# Altium PCB roach2.PcbDoc (part 23 of 39) (continued)
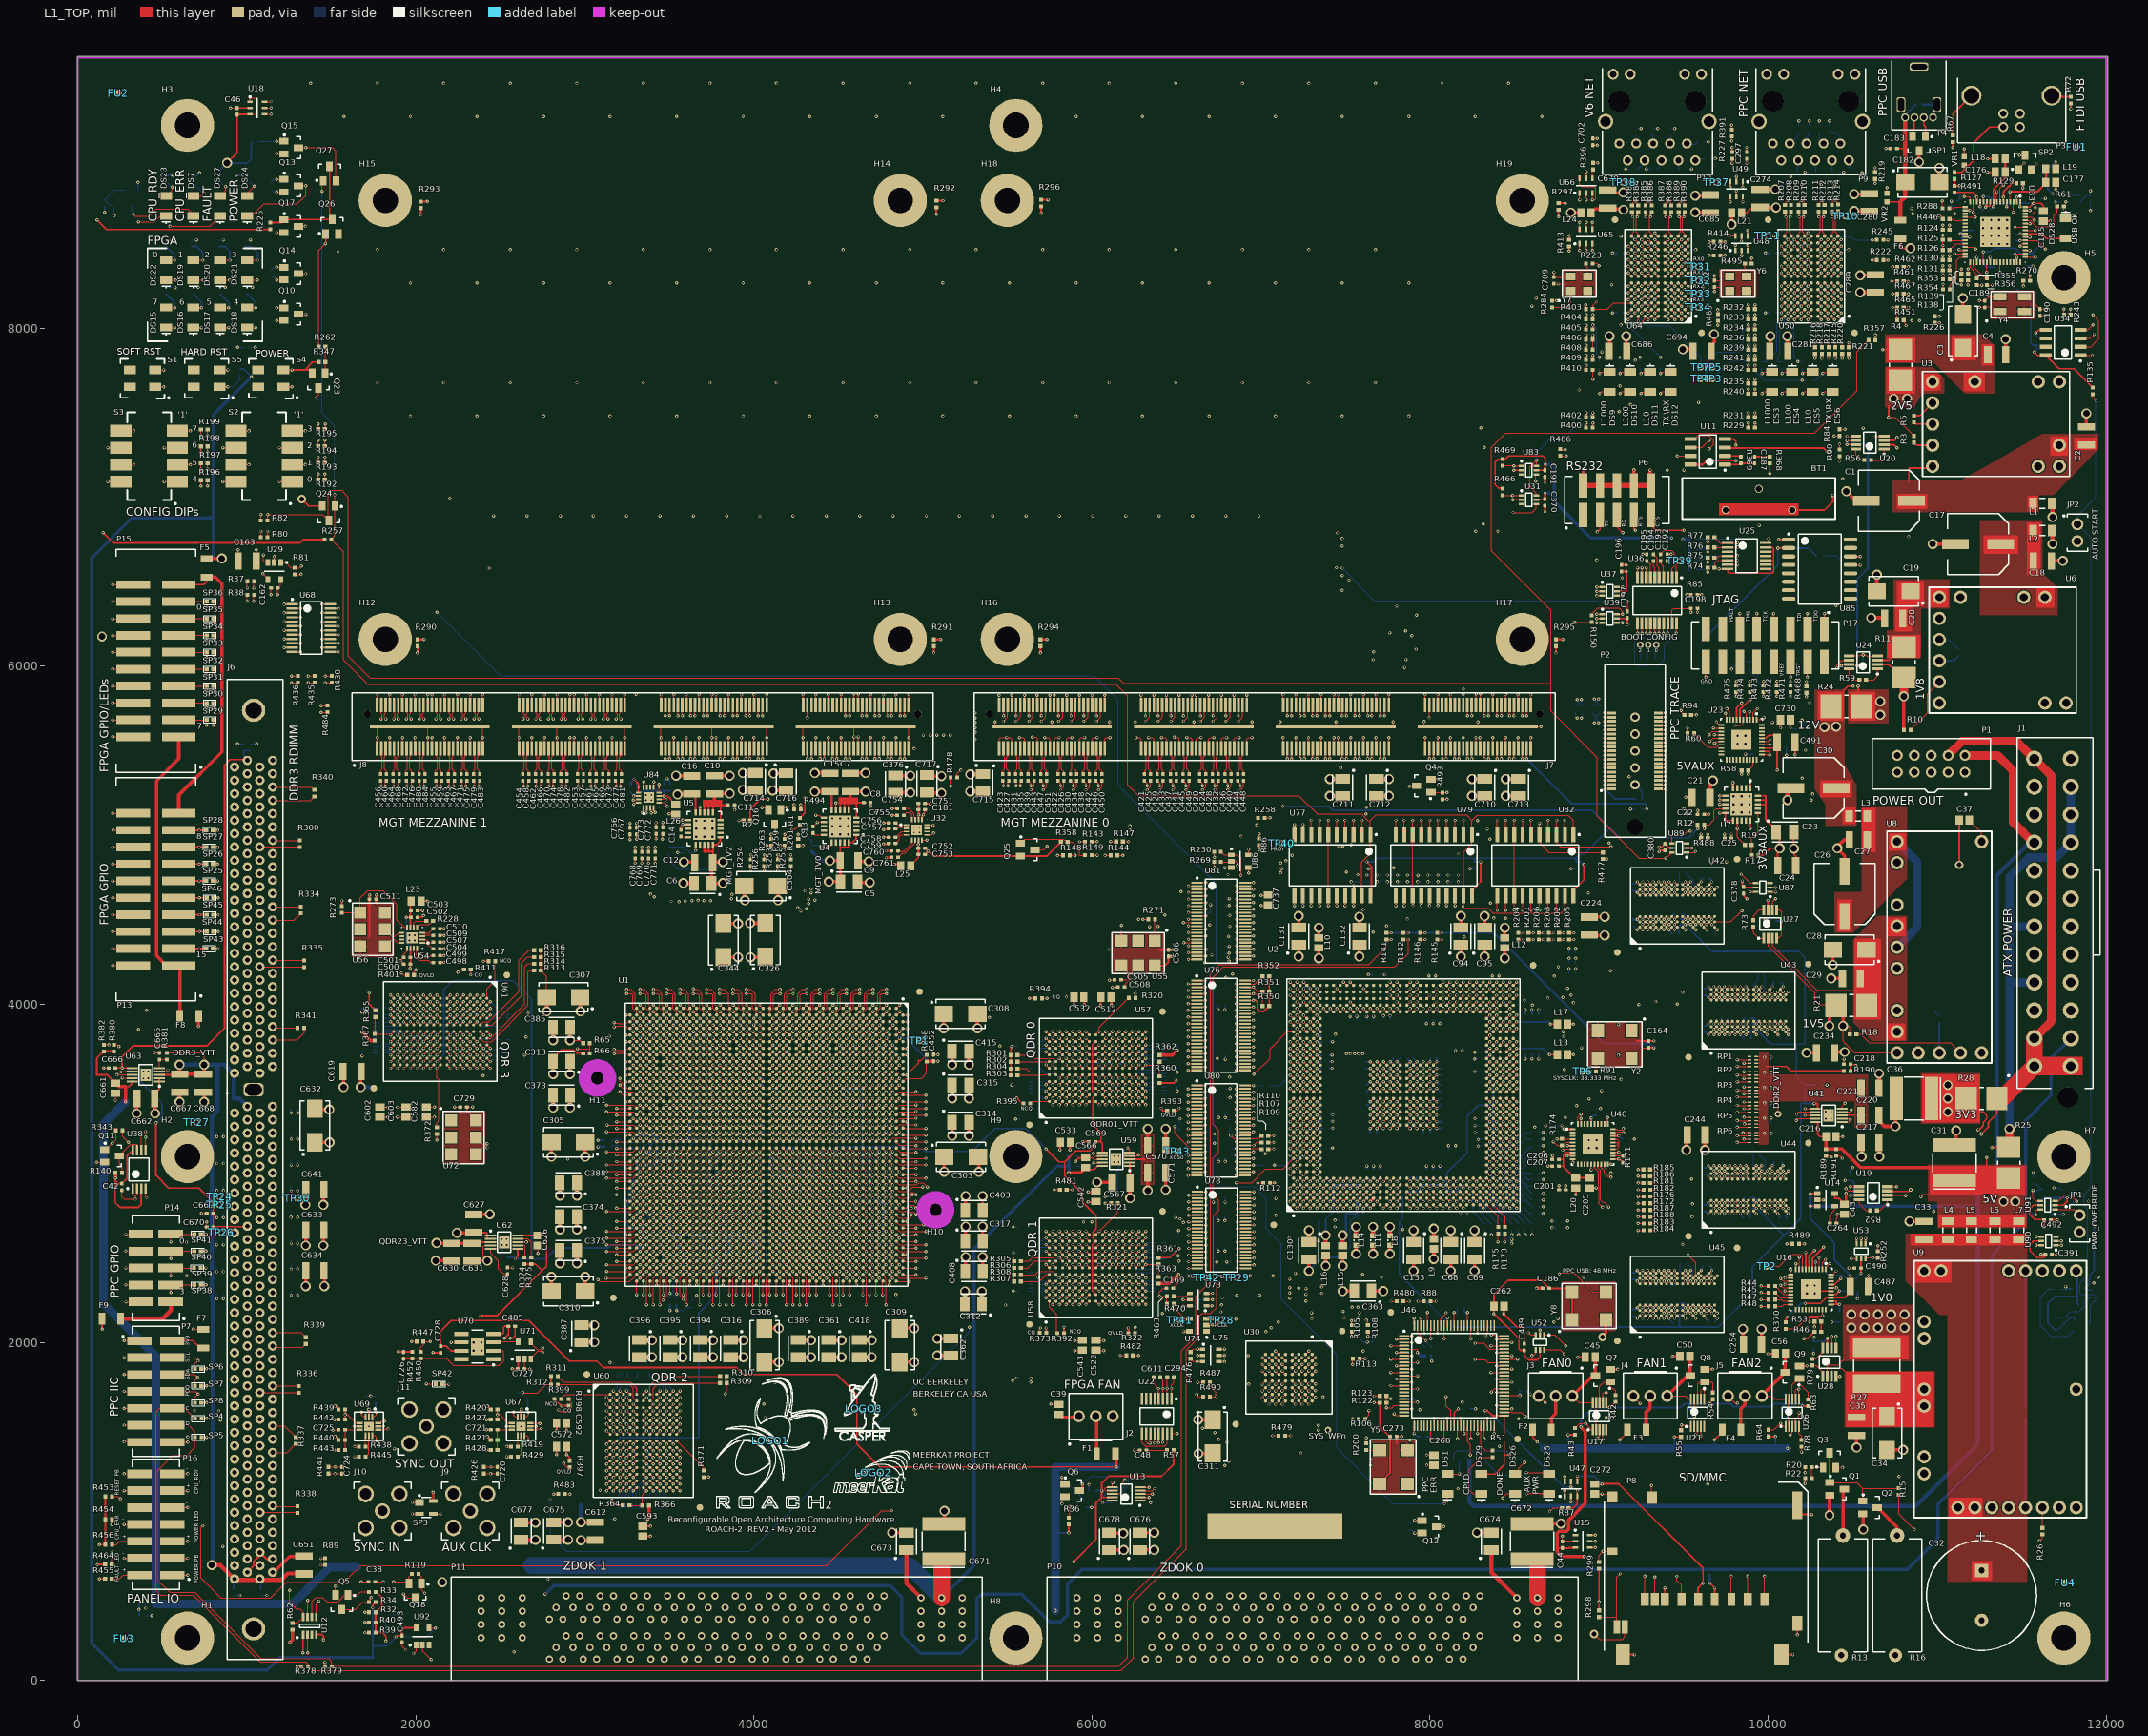
[diagram p0: L1_TOP view]
## Nets (pads, with @x,y where several pads share a name; then routed paths per layer and width w, separated by ;. In a path a pad name is that pad's centre, name@x,y a point inside that pad or via, vN(x,y) a via of type N, cw(c..) or ccw(c..) an arc to the next point about the centre after c; other vN are vias at no path point) (continued)
  L3_S w3.8: v3(3212.64,5688.98) 3204.79,5681.13 3204.79,5643.4 ccw(c3210.69,5643.4) 3210.69,5637.5 3220.3,5637.5 cw(c3220.3,5631.6) 3226.2,5631.6 cw(c3220.3,5631.6) 3220.3,5625.7 3210.69,5625.7 ccw(c3210.69,5619.8) 3204.79,5619.8 3204.79,5373.88 3238.79,5339.88 3238.79,4748.4 3400.32,4586.88 3767.33,4219.88 3767.33,4093.09 3767.43,4092.99 3767.43,4082.99 3771.43,4078.99 3785.43,4078.99 3794.43,4087.99 v1(3798.43,4087.99)
MGT_TX_P13: J8.B30 U1.AH3 | length 2211.8
  L1_TOP w5: J8.B30@3136.28,5770.49 3136.28,5723.05 3134.16,5720.93 3133.7,5720.47 3129.76,5716.54 3129.76,5696.85 v3(3137.64,5688.98) ; v1(3799.21,3917.32) U1.AH3@3818.9,3897.64
  L3_S w3.8: v3(3137.64,5688.98) 3137.64,5688.82 3129.34,5680.52 3129.34,5635.4 ccw(c3135.24,5635.4) 3135.24,5629.5 3150.31,5629.5 cw(c3150.31,5623.6) 3156.21,5623.6 cw(c3150.31,5623.6) 3150.31,5617.7 3135.24,5617.7 ccw(c3135.24,5611.8) 3129.34,5611.8 3129.34,5381.34 3166.99,5343.68 3166.99,4760.99 3746.69,4181.29 3746.69,3969.84 3784.13,3932.41 ; 3784.13,3932.13 3784.13,3932.41 ; v1(3799.21,3917.32) 3784.13,3932.41
MGT_TX_P14: J8.B28 U1.AJ1 | length 2179.9
  L1_TOP w5: J8.B28@3061.28,5770.49 3061.28,5723.05 3059.16,5720.93 3058.7,5720.47 3054.76,5716.54 3054.76,5696.85 v3(3062.64,5688.98) ; v1(3719.69,4087.99) 3745.69,4087.99 3771.69,4061.99 3771.69,3996.83 3779.53,3988.99 U1.AJ1@3779.53,3976.38
  L3_S w3.8: v3(3062.64,5688.98) 3054.79,5681.13 3054.79,5625.4 ccw(c3060.69,5625.4) 3060.69,5619.5 3070.26,5619.5 cw(c3070.26,5613.6) 3076.16,5613.6 cw(c3070.26,5613.6) 3070.26,5607.7 3060.69,5607.7 ccw(c3060.69,5601.8) 3054.79,5601.8 3054.79,5378.08 3090.99,5341.88 3090.99,4779.68 3688.69,4181.98 3688.69,4082.99 3692.69,4078.99 3706.69,4078.99 3715.69,4087.99 v1(3719.69,4087.99)
MGT_TX_P15: J8.B26 U1.AK3 | length 2241.3
  L1_TOP w5: J8.B26@2986.28,5770.49 2986.28,5723.05 2984.16,5720.93 2983.7,5720.47 2979.76,5716.54 2979.76,5696.85 v3(2987.64,5688.98) ; v1(3720.47,3917.32) U1.AK3@3740.16,3897.64
  L3_S w3.8: v3(2987.64,5688.98) 2987.64,5688.82 2978.99,5680.17 2978.99,5627.4 ccw(c2984.89,5627.4) 2984.89,5621.5 2999.97,5621.5 cw(c2999.97,5615.6) 3005.87,5615.6 cw(c2999.97,5615.6) 2999.97,5609.7 2984.89,5609.7 ccw(c2984.89,5603.8) 2978.99,5603.8 2978.99,5377.68 3016.99,5339.68 3016.99,4798.99 3667.95,4148.03 3667.95,3969.84 v1(3720.47,3917.32)
MGT_TX_P16: J7.A24 U1.W1 | length 2774.2
  L1_TOP w5: U1.W1@4173.23,3976.38 4173.23,3988.99 4181.06,3996.83 4181.06,4061.99 4207.06,4087.99 v1(4233.06,4087.99) ; v3(5701.99,5674.99) 5726.28,5699.28 J7.A24@5726.28,5770.49
  L3_S w3.8: v1(4233.06,4087.99) 4237.06,4087.99 4246.06,4078.99 4260.06,4078.99 4264.06,4082.99 4264.06,4092.99 4264.26,4093.19 4264.26,4200.95 4604.1,4540.79 4868.1,4540.79 5396.1,5068.79 5556.99,5068.79 5672.99,5184.79 5672.99,5610.6 ccw(c5667.09,5610.6) 5667.09,5616.5 5653.92,5616.5 cw(c5653.92,5622.4) 5648.02,5622.4 cw(c5653.92,5622.4) 5653.92,5628.3 5667.09,5628.3 ccw(c5667.09,5634.2) 5672.99,5634.2 5672.99,5650.27 5699.85,5677.13 v3@5701.99,5679.27
MGT_TX_P17: J7.A22 U1.AA1 | length 2749.7
  L1_TOP w5: U1.AA1@4094.49,3976.38 4094.49,3988.99 4102.32,3996.83 4102.32,4061.99 4128.32,4087.99 v1(4154.32,4087.99) ; v3(5626.99,5674.99) 5651.28,5699.28 J7.A22@5651.28,5770.49
  L3_S w3.8: v1(4154.32,4087.99) 4158.32,4087.99 4167.32,4078.99 4181.32,4078.99 4185.32,4082.99 4185.32,4092.99 4185.42,4093.09 4185.42,4206.11 4586.1,4606.79 4876.79,4606.79 5384.45,5114.45 5471.76,5114.45 5594.65,5237.34 5594.65,5586.99 ; 5594.65,5590.99 5594.65,5586.99 ; v3@5626.99,5679.27 5624.85,5677.13 5594.99,5647.27 5594.99,5630.2 cw(c5589.09,5630.2) 5589.09,5624.3 5577.48,5624.3 ccw(c5577.48,5618.4) 5571.58,5618.4 ccw(c5577.48,5618.4) 5577.48,5612.5 5590.49,5612.5 cw(c5590.49,5608) 5594.99,5608 5594.99,5587.34 5594.65,5586.99
MGT_TX_P18: J7.A20 U1.AC1 | length 2803.1
  L1_TOP w5: v1(3955.91,4087.99) 3981.91,4087.99 4007.91,4061.99 4007.91,3996.83 4015.75,3988.99 U1.AC1@4015.75,3976.38 ; v3(5551.99,5674.99) 5576.28,5699.28 J7.A20@5576.28,5770.49
  L3_S w3.8: v1(3955.91,4087.99) 3959.91,4087.99 3968.91,4078.99 3982.91,4078.99 3986.91,4082.99 3986.91,4097.68 4538.03,4648.79 4858.79,4648.79 5376.79,5166.79 5446.99,5166.79 5518.99,5238.79 5518.99,5469.68 5519.09,5469.78 5519.09,5594.6 ccw(c5513.19,5594.6) 5513.19,5600.5 5505.63,5600.5 cw(c5505.63,5606.4) 5499.73,5606.4 cw(c5505.63,5606.4) 5505.63,5612.3 5513.19,5612.3 ccw(c5513.19,5618.2) 5519.09,5618.2 5519.09,5646.16 5525.36,5652.43 ; 5519.99,5647.27 5549.85,5677.13 v3@5551.99,5679.27
MGT_TX_P19: J7.A18 U1.AE1 | length 2791.1
  L1_TOP w5: v1(3877.17,4087.99) 3903.17,4087.99 3929.17,4061.99 3929.17,3996.83 3937.01,3988.99 U1.AE1@3937.01,3976.38 ; v3(5476.99,5674.99) 5501.28,5699.28 J7.A18@5501.28,5770.49
  L3_S w3.8: v1@3873.17,4087.99 v1(3877.17,4087.99) 3881.17,4087.99 3890.17,4078.99 3904.17,4078.99 3908.17,4082.99 3908.17,4116.86 4474.1,4682.79 4829.54,4682.79 5444.99,5298.25 5444.99,5590.6 ccw(c5439.09,5590.6) 5439.09,5596.5 5424.08,5596.5 cw(c5424.08,5602.4) 5418.18,5602.4 cw(c5424.08,5602.4) 5424.08,5608.3 5439.09,5608.3 ccw(c5439.09,5614.2) 5444.99,5614.2 5444.99,5642.99 v3(5476.99,5674.99)
MGT_TX_P20: J7.A32 U1.P3 | length 2962.5
  L1_TOP w5: U1.P3@4370.08,3897.64 v1(4389.76,3917.32) ; v3(6026.99,5674.99) 6051.28,5699.28 J7.A32@6051.28,5770.49
  L3_S w3.8: v1(4389.76,3917.32) 4442.28,3969.84 4442.28,4152.28 4669.99,4379.99 4670.09,4379.89 4985.89,4379.89 5490.79,4884.79 5754.99,4884.79 5992.99,5122.79 5992.99,5600.6 ccw(c5987.09,5600.6) 5987.09,5606.5 5969.29,5606.5 cw(c5969.29,5612.4) 5963.39,5612.4 cw(c5969.29,5612.4) 5969.29,5618.3 5987.09,5618.3 ccw(c5987.09,5624.2) 5992.99,5624.2 5992.99,5645.27 6024.85,5677.13 v3@6026.99,5679.27
MGT_TX_P21: J7.A30 U1.R1 | length 2851.2
  L1_TOP w5: U1.R1@4330.71,3976.38 4330.71,3988.99 4338.54,3996.83 4338.54,4061.99 4364.54,4087.99 v1(4390.54,4087.99) ; v3(5951.99,5674.99) 5976.28,5699.28 J7.A30@5976.28,5770.49
  L3_S w3.8: v1(4390.54,4087.99) 4394.54,4087.99 4403.54,4078.99 4417.54,4078.99 4421.54,4082.99 4421.54,4092.99 4421.64,4093.09 4421.64,4181.88 4656.56,4416.79 4962.79,4416.79 5472.45,4926.45 5661.76,4926.45 5918.99,5183.68 5918.99,5600.6 ccw(c5913.09,5600.6) 5913.09,5606.5 5901.25,5606.5 cw(c5901.25,5612.4) 5895.35,5612.4 cw(c5901.25,5612.4) 5901.25,5618.3 5913.09,5618.3 ccw(c5913.09,5624.2) 5918.99,5624.2 5918.99,5646.27 5949.85,5677.13 v3@5951.99,5679.27
MGT_TX_P22: J7.A28 U1.T3 | length 2868.1
  L1_TOP w5: U1.T3@4291.34,3897.64 v1(4311.02,3917.32) ; v3(5876.99,5674.99) 5901.28,5699.28 J7.A28@5901.28,5770.49
  L3_S w3.8: v1(4311.02,3917.32) 4363.54,3969.84 4363.54,4179.54 4638.79,4454.79 4942.1,4454.79 5464.1,4976.79 5632.1,4976.79 5840.99,5185.68 5840.99,5475.88 5841.09,5475.98 5841.09,5600 ccw(c5836.59,5600) 5836.59,5604.5 5818.2,5604.5 cw(c5818.2,5610.4) 5812.3,5610.4 cw(c5818.2,5610.4) 5818.2,5616.3 5835.19,5616.3 ccw(c5835.19,5622.2) 5841.09,5622.2 5841.09,5643.37 5874.85,5677.13 v3@5876.99,5679.27
MGT_TX_P23: J7.A26 U1.U1 | length 2797.9
  L1_TOP w5: U1.U1@4251.97,3976.38 4251.97,3988.99 4259.8,3996.83 4259.8,4061.99 4285.8,4087.99 v1(4311.8,4087.99) ; v3(5801.99,5674.99) 5826.28,5699.28 J7.A26@5826.28,5770.49
  L3_S w3.8: v1(4311.8,4087.99) 4315.8,4087.99 4324.8,4078.99 4338.8,4078.99 4342.8,4082.99 4342.8,4092.99 4343,4093.19 4343,4213.69 4628.1,4498.79 4904.1,4498.79 5426.1,5020.79 5604.99,5020.79 5758.99,5174.79 5758.99,5481.88 5759.09,5481.98 5759.09,5596 ccw(c5758.59,5596) 5758.59,5596.5 5742.51,5596.5 cw(c5742.51,5602.4) 5736.61,5602.4 cw(c5742.51,5602.4) 5742.51,5608.3 5753.19,5608.3 ccw(c5753.19,5614.2) 5759.09,5614.2 5759.09,5636.37 5799.85,5677.13 v3@5801.99,5679.27
MGT_TX_P24: J7.B24 U1.K3 | length 3410.8
  L1_TOP w5: U1.K3@4527.56,3897.64 v1(4547.24,3917.32) ; v3(6541.99,5674.99) 6566.28,5699.28 J7.B24@6566.28,5770.49
  L3_S w3.8: v1(4547.24,3917.32) 4599.76,3969.84 4599.76,4117.76 4714.99,4232.99 4730.99,4232.99 4731.09,4232.89 5092.89,4232.89 5558.45,4698.45 6273.76,4698.45 6504.99,4929.68 6504.99,5598.6 ccw(c6499.09,5598.6) 6499.09,5604.5 6481.49,5604.5 cw(c6481.49,5610.4) 6475.59,5610.4 cw(c6481.49,5610.4) 6481.49,5616.3 6499.09,5616.3 ccw(c6499.09,5622.2) 6504.99,5622.2 6504.99,5642.27 6539.85,5677.13 v3@6541.99,5679.27
MGT_TX_P25: J7.B22 U1.L1 | length 3341
  L1_TOP w5: U1.L1@4488.19,3976.38 4488.19,3988.99 4496.02,3996.83 4496.02,4061.99 4522.02,4087.99 v1(4548.02,4087.99) ; v3(6466.99,5674.99) 6491.28,5699.28 J7.B22@6491.28,5770.49
  L3_S w3.8: v1(4548.02,4087.99) 4552.02,4087.99 4561.02,4078.99 4575.02,4078.99 4579.02,4082.99 4579.02,4092.99 4579.12,4093.09 4579.12,4147.88 4702.04,4270.79 5070.99,4270.79 5549.19,4748.99 6258.99,4748.99 6430.99,4920.99 6430.99,5607.87 ccw(c6425.09,5607.87) 6425.09,5613.77 6413.25,5613.77 cw(c6413.25,5619.67) 6407.35,5619.67 cw(c6413.25,5619.67) 6413.25,5625.57 6425.09,5625.57 ccw(c6425.09,5631.47) 6430.99,5631.47 6430.99,5643.27 6464.85,5677.13 v3@6466.99,5679.27
MGT_TX_P26: J7.B20 U1.M3 | length 3343.4
  L1_TOP w5: U1.M3@4448.82,3897.64 v1(4468.5,3917.32) ; v3(6391.99,5674.99) 6416.28,5699.28 J7.B20@6416.28,5770.49
  L3_S w3.8: v1(4468.5,3917.32) 4521.02,3969.84 4521.02,4133.02 4694.99,4306.99 4726.99,4306.99 4727.09,4306.89 5036.99,4306.89 5529.09,4798.99 6216.99,4798.99 6354.99,4936.99 6354.99,5598.6 ccw(c6349.09,5598.6) 6349.09,5604.5 6331.88,5604.5 cw(c6331.88,5610.4) 6325.98,5610.4 cw(c6331.88,5610.4) 6331.88,5616.3 6349.09,5616.3 ccw(c6349.09,5622.2) 6354.99,5622.2 6354.99,5642.27 6389.85,5677.13 v3@6391.99,5679.27
MGT_TX_P27: J7.B18 U1.N1 | length 3280.2
  L1_TOP w5: U1.N1@4409.45,3976.38 4409.45,3988.99 4417.28,3996.83 4417.28,4061.99 4443.28,4087.99 v1(4469.28,4087.99) ; v3(6316.99,5674.99) 6341.28,5699.28 J7.B18@6341.28,5770.49
  L3_S w3.8: v1(4469.28,4087.99) 4473.28,4087.99 4482.28,4078.99 4496.28,4078.99 4500.28,4082.99 4500.28,4092.99 4500.38,4093.09 4500.38,4161.88 4681.3,4342.79 5010.79,4342.79 5508.79,4840.79 6204.79,4840.79 6282.99,4918.99 6282.99,5606.6 ccw(c6277.09,5606.6) 6277.09,5612.5 6265.25,5612.5 cw(c6265.25,5618.4) 6259.35,5618.4 cw(c6265.25,5618.4) 6265.25,5624.3 6277.09,5624.3 ccw(c6277.09,5630.2) 6282.99,5630.2 6282.99,5645.27 6314.85,5677.13 v3@6316.99,5679.27
MGT_TX_P28: J7.B32 U1.F3 | length 3455.2
  L1_TOP w5: U1.F3@4685.04,3897.64 v1(4704.73,3917.32) ; v3(6866.99,5674.99) 6891.28,5699.28 J7.B32@6891.28,5770.49
  L3_S w3.8: v1(4704.73,3917.32) 4757.24,3969.84 4757.24,4011.24 4803.87,4057.87 4803.18,4057.87 4832.1,4086.79 5162.99,4086.79 5619.19,4542.99 6338.99,4542.99 6836.99,5040.99 6836.99,5586.6 ccw(c6831.09,5586.6) 6831.09,5592.5 6814,5592.5 cw(c6814,5598.4) 6808.1,5598.4 cw(c6814,5598.4) 6814,5604.3 6831.09,5604.3 ccw(c6831.09,5610.2) 6836.99,5610.2 6836.99,5634.99 6836.85,5635.13 6836.85,5649.13 6864.85,5677.13 v3@6866.99,5679.27
MGT_TX_P29: J7.B30 U1.G1 | length 3418.7
  L1_TOP w5: U1.G1@4645.67,3976.38 4645.67,3988.99 4653.5,3996.83 4653.5,4061.99 4679.5,4087.99 v1(4705.5,4087.99) ; v3(6791.99,5674.99) 6816.28,5699.28 J7.B30@6816.28,5770.49
  L3_S w3.8: v1(4705.5,4087.99) 4709.5,4087.99 4718.5,4078.99 4732.5,4078.99 4736.5,4082.99 4736.5,4097.68 4763.62,4124.79 5152.99,4124.79 5607.19,4578.99 6310.99,4578.99 6762.99,5030.99 6762.99,5584 ccw(c6757.09,5584) 6757.09,5589.9 6745.29,5589.9 cw(c6745.29,5595.8) 6739.39,5595.8 cw(c6745.29,5595.8) 6745.29,5601.7 6757.09,5601.7 ccw(c6757.09,5607.6) 6762.99,5607.6 6762.99,5630.99 6763.35,5631.35 6763.35,5650.63 6789.85,5677.13 v3@6791.99,5679.27
MGT_TX_P30: J7.B28 U1.H3 | length 3456
  L1_TOP w5: U1.H3@4606.3,3897.64 v1(4625.99,3917.32) ; v3(6716.99,5674.99) 6741.28,5699.28 J7.B28@6741.28,5770.49
  L3_S w3.8: v1(4625.99,3917.32) 4678.5,3969.84 4678.5,4100.5 4736.99,4158.99 4760.99,4158.99 4761.09,4158.89 5122.89,4158.89 5590.45,4626.45 6303.76,4626.45 6684.65,5007.34 6684.65,5476.65 ; 6684.54,5470.99 6684.54,5602 ccw(c6678.64,5602) 6678.64,5607.9 6661.77,5607.9 cw(c6661.77,5613.8) 6655.87,5613.8 cw(c6661.77,5613.8) 6661.77,5619.7 6678.64,5619.7 ccw(c6678.64,5625.6) 6684.54,5625.6 6684.54,5645.01 6715.76,5676.23 v3@6716.54,5677.01
MGT_TX_P31: J7.B26 U1.J1 | length 3398
  L1_TOP w5: U1.J1@4566.93,3976.38 4566.93,3988.99 4574.76,3996.83 4574.76,4061.99 4600.76,4087.99 v1(4626.76,4087.99) ; v3(6641.99,5674.99) 6666.28,5699.28 J7.B26@6666.28,5770.49
  L3_S w3.8: v1(4626.76,4087.99) 4630.76,4087.99 4639.76,4078.99 4653.76,4078.99 4657.76,4082.99 4657.76,4092.99 4657.86,4093.09 4657.86,4139.88 4716.78,4198.79 5110.99,4198.79 5571.19,4658.99 6284.99,4658.99 6606.99,4980.99 6606.99,5608.87 ccw(c6601.09,5608.87) 6601.09,5614.77 6589.25,5614.77 cw(c6589.25,5620.67) 6583.35,5620.67 cw(c6589.25,5620.67) 6589.25,5626.57 6601.09,5626.57 ccw(c6601.09,5632.47) 6606.99,5632.47 6606.99,5644.27 6639.85,5677.13 v3@6641.99,5679.27
MMC_CDN: P8.11 R299.1 U46.59 | length 2645.3
  L1_TOP w5: v2(8363.2,1706.99) 8385.4,1729.19 8389.66,1729.19 8394.6,1724.25 U46.59@8439.25,1724.25 ; R299.1@9000,699.68 9000,740.02 v2(9023.64,763.66) P8.11@9080.08,763.66
  L9_R w3.8: v2(8363.2,1706.99) 8385.2,1728.99 8655.45,1728.99 8700.99,1683.45 8700.99,1592.99 8920.99,1372.99 9525.01,1372.99 9657.01,1240.99 9657.01,1175.01 v2(9642.96,1160.96)
  L12_S w3.8: v2(9023.64,763.66) 9027.66,763.66 9401.23,1137.23 9619.23,1137.23 v2(9642.96,1160.96)
MMC_CLK: P8.5 U46.58 | length 2075.4
  L1_TOP w5: v3(8394.04,1704.57) U46.58@8439.25,1704.57 ; v2(9460,616) 9460,590 9487.36,562.64 P8.5@9487.36,480
  L9_R w3.8: v3(8394.04,1704.57) 8543.42,1704.57 8886.99,1360.99 9339.76,1360.99 9459.76,1240.99 9459.76,664 9460,663.76 v2(9460,616)
MMC_CMD: P8.2 U46.61 | length 2398.1
  L1_TOP w5: U46.61@8439.25,1763.62 v3(8484.46,1763.62) ; P8.2@9782.64,480 v2(9782.64,616.44)
  L9_R w3.8: v3(8484.46,1763.62) 8731.85,1763.62 8798.99,1696.48 8798.99,1556.99 8956.99,1398.99 9616.99,1398.99 9755.43,1260.55 9755.43,756.57 9782.64,729.36 v2(9782.64,616.44)
MMC_DAT0: P8.7 U46.54 | length 1864.2
  L1_TOP w5: v3(8394.04,1625.83) U46.54@8439.25,1625.83 ; P8.7@9329.88,480 9329.88,611.88 v2(9330,612)
  L9_R w3.8: v3(8394.04,1625.83) 8556.16,1625.83 8858.99,1322.99 9184.06,1322.99 9266.06,1240.99 9266.06,847.94 9330,784 v2(9330,612)
MMC_DAT1: P8.8 U46.53 | length 1701.4
  L1_TOP w5: U46.53@8439.25,1606.14 v3(8484.46,1606.14) ; v2(9270,618) 9270.83,617.17 P8.8@9270.83,480
  L9_R w3.8: v3(8484.46,1606.14) 8547.84,1606.14 8848.99,1304.99 9133.17,1304.99 9197.17,1240.99 9197.17,744.83 9270.83,671.17 9270.83,618.83 v2(9270,618)
MMC_DAT2: P8.9 U46.65 | length 2625.8
  L1_TOP w5: U46.65@8439.25,1842.36 v3(8484.46,1842.36) ; P8.9@9979.49,480 v2(9979.49,616.44)
  L9_R w3.8: v3(8484.46,1842.36) 8809.62,1842.36 8936.99,1714.99 8936.99,1558.99 9020.99,1474.99 9718.28,1474.99 9952.28,1240.99 9952.28,851.72 9979.49,824.51 v2(9979.49,616.44)
MMC_DAT3: P8.1 U46.64 | length 2664
  L1_TOP w5: v2(8361.07,1822.68) U46.64@8439.25,1822.68 ; P8.1@9881.06,480 v2(9881.06,616.44)
  L9_R w3.8: v2(8361.07,1822.68) 8785.31,1822.68 8908.99,1698.99 8908.99,1562.99 9015.19,1456.79 9438.31,1456.79 9438.41,1456.89 9463.09,1456.89 9489.05,1430.93 9608.85,1430.93 9608.91,1430.99 9640.99,1430.99 9670.99,1400.99 9693.86,1400.99 9853.86,1240.99 9853.86,814.14 9881.06,786.94 v2(9881.06,616.44)
MMC_DMAACK: U2.T34 U46.93 | length 2399.9
  L1_TOP w5: v1(7764.25,4132.28) U2.T34@7783.94,4112.6 ; v3(8044.57,2054.04) U46.93@8044.57,2099.25
  L14_S w3.8: v1(7764.25,4132.28) 7746.99,4115.03 7746.99,3900.99 7816.99,3830.99 7938.99,3830.99 8016.07,3753.91 8016.07,3259.68 8004.08,3247.69 8004.08,3023.9 8024.24,3003.74 8024.24,2745.1 7987.56,2708.42 7987.56,2478.32 8052.28,2413.6 8052.28,2236.53 8044.57,2228.82 v3(8044.57,2054.04)
MMC_DMAEOT: U2.T32 U46.92 | length 2223.8
  L1_TOP w5: v1(7764.25,4053.54) U2.T32@7783.94,4033.86 ; U46.92@8064.25,2099.25 8064.25,2139.38 8094.99,2170.12 v2(8094.99,2175.3)
  L14_S w3.8: v1(7764.25,4053.54) 7779.85,4069.14 7836.84,4069.14 7848.99,4056.99 7848.99,3986.11 8010.11,3824.99 8028.99,3824.99 8060.99,3792.99 8060.99,3064.36 8055.54,3058.91 8052.59,3058.91 8043.46,3049.77 8043.46,3036.85 8063.61,3016.69 8063.61,2787.24 8073.19,2777.66 8073.19,2270.79 8094.99,2248.99 v2(8094.99,2175.3)
MMC_DMAREQ: U2.U32 U46.91 | length 2255.8
  L1_TOP w5: v1(7803.62,4053.54) U2.U32@7823.31,4033.86 ; v2(8083.94,2021.07) U46.91@8083.94,2099.25
  L14_S w3.8: v1(7803.62,4053.54) 7834.99,4022.17 7834.99,3984.99 8024.24,3795.74 8024.24,3259.68 8035.66,3248.27 8035.66,3033.62 8055.81,3013.46 8055.81,2784.01 8058.42,2781.4 8058.42,2658.32 8056.99,2656.89 8056.99,2544.99 8065.39,2536.59 8065.39,2218.59 8066.99,2216.99 8066.99,2038.02 v2(8083.94,2021.07)
MMC_PWRONN: U46.50 U47.6 | length 599.6
  L1_TOP w5: v3(8379.21,1461.52) U46.50@8379.21,1506.73 ; U47.6@8797.05,1176.3 v2(8797.05,1207.73)
  L9_R w5: v3(8379.21,1461.52) 8543.26,1461.52 v2(8797.05,1207.73)
MMC_WPN: P8.13 R298.1 U46.52 | length 1869.2
  L1_TOP w5: U46.52@8439.25,1586.46 8483.91,1586.46 8485.17,1585.19 8541.1,1585.19 v2(8563.3,1562.99) ; R298.1@9002.85,372.47 R298.1@9000,375.32 9105.35,375.32 9105.67,375 ; P8.13@9105.67,316.02 9105.67,375 ; v2(9124,630) 9105.67,611.67 9105.67,375
  L9_R w3.8: v2(8563.3,1562.99) 8835.3,1290.99 9070.39,1290.99 9125.35,1236.03 9125.35,631.35 v2(9124,630)
MON_EN: R58.1 R370.1 U16.29 U23.29 | length 4428.5
  L1_TOP w5: v3(9882.68,5359.46) R58.1@9882.68,5382.99 9911.89,5412.2 U23.29@9911.89,5445.9 ; R370.1@10105,2080.32 10165.31,2080.32 10243,2158 v6(10322,2158) 10321.89,2158.11 U16.29@10321.89,2193.9
  L5_S w5: v3(9882.68,5359.46) 10285.54,5359.46 10344.45,5300.55 10344.45,4389.45 10142.99,4187.99 10142.99,3592.01 10300,3435 10300,2831.78 10057.8,2589.58 10057.8,2324.09 10084.8,2297.09 10084.8,2296.44 10223.24,2158 v6(10322,2158)
N12V: C485.2 J1.14 P1.10 U70.4 | length 16827.2
  L1_TOP w10: U70.4@2459.49,2050 2511,2050 2520,2059 2520,2089 2527,2096 C485.2@2548,2096 2548,2048 v2(2525,2025)
  L5_S w20: v2@2525,2024 2463,2024 2446,2007 2446,1744 2531,1659 2531,1575 2593,1513 2593,1169 2800,962 2800,731 2862,669 2862,607 v6(2766,511) ; P1.10@10764.88,5472.99 10764.88,5465.36 10811.07,5419.18 10811.07,5291.3 10941.37,5160.99 11188.99,5160.99 11464.99,4884.99 11620.99,4884.99 11714.99,4790.99 11714.99,3875.17 J1.14@11791.26,3798.9
  L16_BOT w20: v6(2766,511) 2815,560 4808,560 4874,494 4874,270 4984,160 5227,160 5321,254 5321,484 5346,509 5586,509 5748,347 5814,347 5856,389 5856,571 5943,658 10824,658 11005,839 11005,1043 11324,1362 11324,2517 11523.7,2716.7 ; 11525,2718 11525,3313 ; 11528.5,3316.5 11674,3462 11674,3681.64 J1.14@11791.26,3798.9
NetC1_1: C1.1 C2.2 L1.2 U3.2 U3.10 | length 224.1
  L1_TOP w10: 10832.99,7092.99 10832.99,7172.99 10962.99,7172.99 U3.10@10972.99,7182.99
NetC13_2: C13.2 U4.15 | length 69.3
  L1_TOP w5: C13.2@4350.99,5013.31 4362.49,5001.81 U4.15@4415.52,5001.81
NetC14_2: C14.2 U5.15 | length 45.8
  L1_TOP w5: C14.2@3567.99,4993.31 3573.49,4987.81 U5.15@3611.52,4987.81
NetC17_1: C17.1 C18.2 L2.2 U6.2
NetC25_2: C25.2 U7.15 | length 196.4
  L1_TOP w5: C25.2@9782.68,4982.99 v3(9782.68,5006.52)
  L1_TOP w10: v2(9894.17,5039.99) U7.15@9894.17,5087.52
  L9_R w3.8: v3(9782.68,5006.52) 9860.7,5006.52 v2(9894.17,5039.99)
NetC26_1: C26.1 C27.2 L3.2 U8.2 U8.6 | length 722.8
  L16_BOT w50: U8.6@10762.99,4337.99 10880.99,4455.99 10880.99,4844.99 U8.2@10762.99,4962.99
NetC32_1: C32.1 C33.2 L4.2 L5.2 L6.2 L7.2 U9.6 U9.7 U9.14 U9.15
NetC37_1: C37.1 U8.1 | length 157.4
  L1_TOP w5: C37.1@11189.53,5090 11262.99,5016.54 U8.1@11262.99,4962.99
NetC38_1: C38.1 U12.7 | length 528.2
  L1_TOP w5: U12.7@1360.2,374.57 1360.2,472.2 v2(1360.99,472.99) ; v2(1676.33,583.2) 1676.53,582.99 1717.32,582.99 C38.1@1720.32,580
  L8_R w3.8: v2(1360.99,472.99) 1376.99,472.99 1404.99,444.99 1538.13,444.99 v2(1676.33,583.2)
NetC39_2: C39.2 J2.1 Q6.3 U13.10 | length 1174.6
  L1_TOP w5: v2(6062.99,1050.99) 6075.62,1063.62 U13.10@6122.28,1063.62
  L1_TOP w12: Q6.3@5942.99,1126.99 v2@5942.99,1158.99
  L1_TOP w25: C39.2@5802.99,1573.46 5812.52,1573.46 5830.99,1554.99 5914.99,1554.99 J2.1@5922.99,1562.99
  L9_R w3.8: J2.1@5922.99,1562.99 J2.1@5942.99,1542.99
  L9_R w12: v2(5942.99,1160.99) J2.1@5942.99,1542.99
  L16_BOT w5: v2(5942.99,1160.99) 5989.99,1207.99 6205.99,1207.99 6216.99,1196.99 6216.99,1155.51 6112.48,1050.99 v2(6062.99,1050.99)
NetC40_2: C40.2 U16.31 U16.32 | length 148.3
  L1_TOP w10: U16.31@10372.09,2224.41 10405,2224.41 ; U16.32@10372.09,2244.09 10403.91,2244.09 10403.91,2225.5 10405,2224.41 ; v2(10422.54,2224.41) 10405,2224.41
  L16_BOT w10: C40.2@10420,2179.53 10422.54,2182.06 v2(10422.54,2224.41)
NetC41_2: C41.2 U16.34 | length 107.8
  L1_TOP w10: U16.34@10372.09,2283.46 10402.85,2283.46 v2(10422.54,2303.15)
  L16_BOT w10: v2(10422.54,2303.15) 10467.32,2303.15 C41.2@10470.47,2300
NetC45_2: C45.2 J3.1 Q7.3 U17.10 | length 434.2
  L1_TOP w5: J3.1@8842.99,1682.99 8882.28,1643.7 U17.10@8963.62,1643.7
  L1_TOP w20: J3.1@8842.99,1682.99 8962.99,1802.99 Q7.3@8979.68,1802.99 8977.52,1805.16 C45.2@8977.52,1912.99
NetC48_1: C48.1 R57.1 U22.9 U22.15 | length 422.1
  L1_TOP w5: U22.9@6295.49,1460.63 6295.49,1406.49 6314.99,1386.99 6322.99,1386.99 ; R57.1@6443.31,1362.99 C48.1@6322.68,1362.99 6322.99,1363.31 6322.99,1386.99 ; U22.15@6445.49,1460.63 6445.49,1401.49 6430.99,1386.99 6322.99,1386.99
NetC50_2: C50.2 J4.1 Q8.3 U21.10 | length 450.9
  L1_TOP w5: J4.1@9402.99,1682.99 9510.99,1682.99 9530.28,1663.7 U21.10@9543.62,1663.7
  L1_TOP w20: J4.1@9402.99,1682.99 9522.99,1802.99 Q8.3@9539.68,1802.99 9537.52,1805.16 C50.2@9537.52,1917.99
NetC51_2: C51.2 U23.31 U23.32 | length 155.4
  L1_TOP w8: U23.31@9962.09,5476.41 v6@10008.59,5476.41 ; U23.32@9962.09,5496.09 10007.91,5496.09 10008.59,5495.41 v6@10008.59,5476.41 ; v6(10009,5476) v6@10008.59,5476.41
  L16_BOT w5: C51.2@9969.53,5480 9973.53,5476 v6(10009,5476) v6@10010,5475
NetC52_2: C52.2 U23.34 | length 100.4
  L1_TOP w5: U23.34@9962.09,5537 v6(10010,5537)
  L16_BOT w10: v6(10010,5537) 10042,5537 10050.47,5528.53 C52.2@10050.47,5520
NetC56_2: C56.2 J5.1 Q9.3 U26.10 | length 456.4
  L1_TOP w5: J5.1@9962.99,1682.99 10020.99,1682.99 10040.28,1663.7 U26.10@10103.62,1663.7
  L1_TOP w20: J5.1@9962.99,1682.99 9962.99,1686.3 Q9.3@10099.68,1822.99 10099.68,1930.16 C56.2@10102.52,1932.99
NetC58_2: C58.2 C59.2 C60.2 L13.1 U2.AP24 | length 273.3
  L1_TOP w5: U2.AP24@8492.6,3718.9 v1(8512.28,3738.58)
  L1_TOP w10: v2(8707.99,3702.99) L13.1@8742.99,3702.99
  L16_BOT w10: v1(8512.28,3738.58) 8562.99,3738.58 8602.99,3738.58 8642.99,3738.58 8647.4,3738.58 8647.99,3737.99 8672.99,3737.99 v2(8707.99,3702.99)
NetC77_2: C77.2 C78.2 C79.2 C80.2 L15.2 U2.L1 U2.L2 | length 366.9
  L1_TOP w5: v1(7567.4,2793.7) U2.L1@7587.09,2813.39 ; v1(7567.4,2833.07) U2.L2@7587.09,2852.76
  L1_TOP w25: v5(7482.99,2632.99) 7482.99,2572.99 7483.23,2572.76 L15.2@7487.99,2567.99
  L16_BOT w12: v5@7482.99,2627.99 v5(7482.99,2632.99) ; 7500,2657.48 7502.68,2660.16 C77.2@7502.68,2682.99 C78.2@7502.68,2722.99 7502.68,2762.68 7502.84,2762.84 7502.99,2762.99 7562.99,2762.99 7563.15,2763.15 7567.99,2767.99 7567.99,2792.99 7567.4,2793.58 v1(7567.4,2793.7) v1(7567.4,2833.07)
NetC81_2: C81.2 C82.2 C83.2 C84.2 L16.1 U2.J4 U2.L4 | length 635.7
  L1_TOP w5: v1(7488.66,2911.81) U2.J4@7508.35,2931.5 ; v1(7567.4,2911.81) U2.L4@7587.09,2931.5
  L1_TOP w25: L16.1@7382.99,2572.99 v5@7382.99,2627.99
  L16_BOT w10: C82.2@7382.99,2727.99 7428.99,2774.99 7428.62,2775.36 7428.62,2916.99 7430.59,2918.96 7430.59,2919.56 7441.54,2930.51 7470.51,2930.51 7472.15,2932.15 7488.66,2932.15 ; v1(7488.66,2911.81) 7488.66,2932.15 ; C83.2@7506.99,2930.99 7507.1,2931.1 C83.2@7507.87,2931.1 ; 7566.99,2930.99 7566.99,2912.22 v1(7567.4,2911.81) ; C84.2@7586.61,2931.1 C83.2@7507.87,2931.1 ; 7488.66,2932.15 7488.99,2932.48 7507.87,2932.48 7508.48,2932.48 7508.99,2932.99 C83.2@7507.87,2931.1
  L16_BOT w12: v5@7382.99,2627.99 v5(7382.99,2632.99) 7382.99,2682.99 7382.99,2722.99 C82.2@7382.99,2727.99 ; v1@7488.19,2911.42 7488.19,2911.81 v1@7488.19,2913.39 ; C84.2@7586.61,2931.1 7585.22,2931.68 7585.63,2932.09 C84.2@7588.58,2935.04
NetC91_2: C91.2 C92.2 C93.2 L17.2 U2.AP28 | length 269
  L1_TOP w5: U2.AP28@8492.6,3876.38 v1(8512.28,3896.06)
  L1_TOP w10: v2(8712.99,3882.99) L17.2@8747.99,3882.99
  L16_BOT w10: v1(8512.28,3896.06) 8562.99,3896.06 8602.99,3896.06 8642.99,3896.06 8699.92,3896.06 v2(8712.99,3882.99)
NetC165_1: C165.1 P2.1 | length 243.7
  L1_TOP w5: v2(9034.32,5273.99) P2.1@9074.02,5273.99
  L16_BOT w10: v2(9034.32,5273.99) 9092.32,5215.99 C165.1@9214.31,5215.99
NetC176_2: C176.2 C178.2 L18.2 U33.9 | length 339.1
  L1_TOP w8: v1(11333.15,8719.65) 11333.15,8747.14 11333.15,8821.15 11402.52,8890.52 C176.2@11402.52,8922.99
  L1_TOP w12: C176.2@11402.52,8922.99 L18.2@11402.52,9002.68
  L16_BOT w8: C178.2@11312.68,8702.99 11316.5,8702.99 v1(11333.15,8719.65)
NetC177_2: C177.2 C179.2 L19.2 U33.4 | length 415.7
  L1_TOP w5: U33.4@11431.57,8747.14 v2(11431.57,8807.6)
  L1_TOP w12: v2(11431.57,8807.6) 11593.6,8807.6 11643.46,8857.46 C177.2@11643.46,8863.31 L19.2@11643.46,8943.31
  L16_BOT w5: v2(11431.57,8807.6) 11431.96,8807.99 C179.2@11468.31,8807.99
NetC181_2: C181.2 C751.2 C752.2 C753.2 L25.1 U32.7 U32.14 | length 452.4
  L1_TOP w10: L25.1@4932.52,4827.99 4973.31,4868.78 C753.2@4973.31,4887.99 ; C752.2@4973.31,4922.99 4973.83,4923.52 v3(4973.83,4944.99) U32.7@4973.83,4970.97 ; C751.2@4973.31,5187.99 4974.99,5186.31 4974.99,5152.99 v3(4974.99,5120.99) 4973.83,5119.83 U32.14@4973.83,5093.02
  L1_TOP w12: C753.2@4973.31,4887.99 C752.2@4973.31,4922.99
  L14_S w10: v3(4973.83,4944.99) 4973.83,4979.83 4998.74,5004.74 4998.74,5057.26 4974.99,5081.01 v3(4974.99,5120.99)
NetC182_1: C182.1 C183.2 C184.2 F6.1 P4.1 VR2.2 | length 849.7
  L1_TOP w10: VR2.2@10702.99,8747.4 10781.4,8747.4 ; C183.2@10762.68,9062.99 10810.31,9062.99
  L1_TOP w25: F6.1@10782.99,8638.11 10781.4,8639.7 10781.4,8747.4 10810.31,8776.31 10810.31,9062.99 P4.1@10810.31,9247.4
  L16_BOT w12: P4.1@10810.31,9247.4 10810.31,9260 C184.2@10873.31,9322.99
NetC187_1: C187.1 R369.2 U11.1 | length 174.6
  L1_TOP w10: U11.1@9745.36,7194 R369.2@9840,7194 ; R369.2@9840,7200.31 C187.1@9920,7200.31
NetC187_2: C187.2 R368.2 | length 90
  L1_TOP w10: C187.2@9920,7239.69 R368.2@10010,7239.69
NetC189_2: C189.2 U33.2 Y4.1 | length 901.1
  L1_TOP w5: v2(11250.41,8123.31) C189.2@11282.99,8123.31 ; C189.2@11287.99,8127.99 11322.99,8127.99 11351.3,8099.68 Y4.1@11370.16,8099.68 ; U33.2@11470.94,8747.14 v3(11470.94,8774.64)
  L3_S w3.8: v2(11250.41,8123.31) 11420.99,8293.89 11420.99,8456.99 11440.99,8476.99 11440.99,8674.89 11435.66,8680.22 11435.66,8739.35 v3(11470.94,8774.64)
NetC190_2: C190.2 U33.3 Y4.3 | length 861.6
  L1_TOP w5: v3(11451.26,8686.68) U33.3@11451.26,8747.14 ; Y4.3@11515.83,8186.3 11534.68,8186.3 C190.2@11608.15,8112.84 ; C190.2@11607.99,8112.68 11635.68,8112.68 v3(11635.99,8112.99)
  L3_S w3.8: v3(11451.26,8686.68) 11520.99,8616.95 11520.99,8277.26 11635.99,8162.26 v3(11635.99,8112.99)
NetC192_2: C192.2 U36.3 | length 101.1
  L1_TOP w5: C192.2@9402.99,6623.31 9402.99,6527.81 U36.3@9406.97,6523.83
NetC193_1: C193.1 U36.2 | length 248.2
  L1_TOP w5: C193.1@9362.99,6662.68 9385.31,6684.99 9428.99,6684.99 9444.99,6668.99 9444.99,6592.28 9432.56,6579.84 U36.2@9432.56,6523.83
NetC193_2: C193.2 U36.4 | length 107.1
  L1_TOP w5: C193.2@9362.99,6623.31 9362.99,6608.99 9380.99,6590.99 9380.99,6524.22 U36.4@9381.38,6523.83
NetC194_1: C194.1 U36.5 | length 152.6
  L1_TOP w5: C194.1@9322.99,6662.68 9342.68,6642.99 9342.99,6642.99 9342.99,6592.99 9355.79,6580.2 U36.5@9355.79,6523.83
NetC194_2: C194.2 U36.6 | length 102.5
  L1_TOP w5: C194.2@9322.99,6623.31 9322.99,6588.99 9330.2,6581.79 U36.6@9330.2,6523.83
NetC195_2: C195.2 U36.7 | length 108.4
  L1_TOP w5: C195.2@9282.99,6623.31 9304.61,6601.69 U36.7@9304.61,6523.83
NetC205_2: C205.2 C206.2 C207.2 L20.2 U40.8 | length 366
  L1_TOP w8: C207.2@8762.68,3042.99 8786.99,3042.99 8788.99,3040.99 ; C206.2@8762.68,3082.99 8788.99,3082.99 ; U40.8@8843.9,3123.78 8803.78,3123.78 8801.79,3123.79 8788.99,3110.99 8788.99,3082.99 ; L20.2@8862.99,2972.52 8857.46,2972.52 8788.99,3040.99 ; 8788.99,3040.99 8788.99,3082.99
  L1_TOP w12: L20.2@8862.99,2972.52 C205.2@8942.99,2972.52
NetC218_2: C218.2 R190.2 U41.5 | length 362.9
  L1_TOP w5: U41.5@10438.7,3382.36 10438.7,3397.57 v2(10454.99,3413.86) ; R190.2@10487.68,3605.99 C218.2@10487.68,3645.99 10509.99,3645.99 v2(10518.99,3636.99)
  L3_S w3.8: v2(10454.99,3413.86) 10518.99,3477.86 v2(10518.99,3636.99)
NetC264_2: C264.2 U14.4 | length 112.5
  L1_TOP w5: C264.2@10365.31,2705 10365.31,2753.31 10394.17,2782.17 U14.4@10394.17,2805.59